# Allegro board 1155001-Timing_board_V3_20241024_1805_pcb.brd (continued)
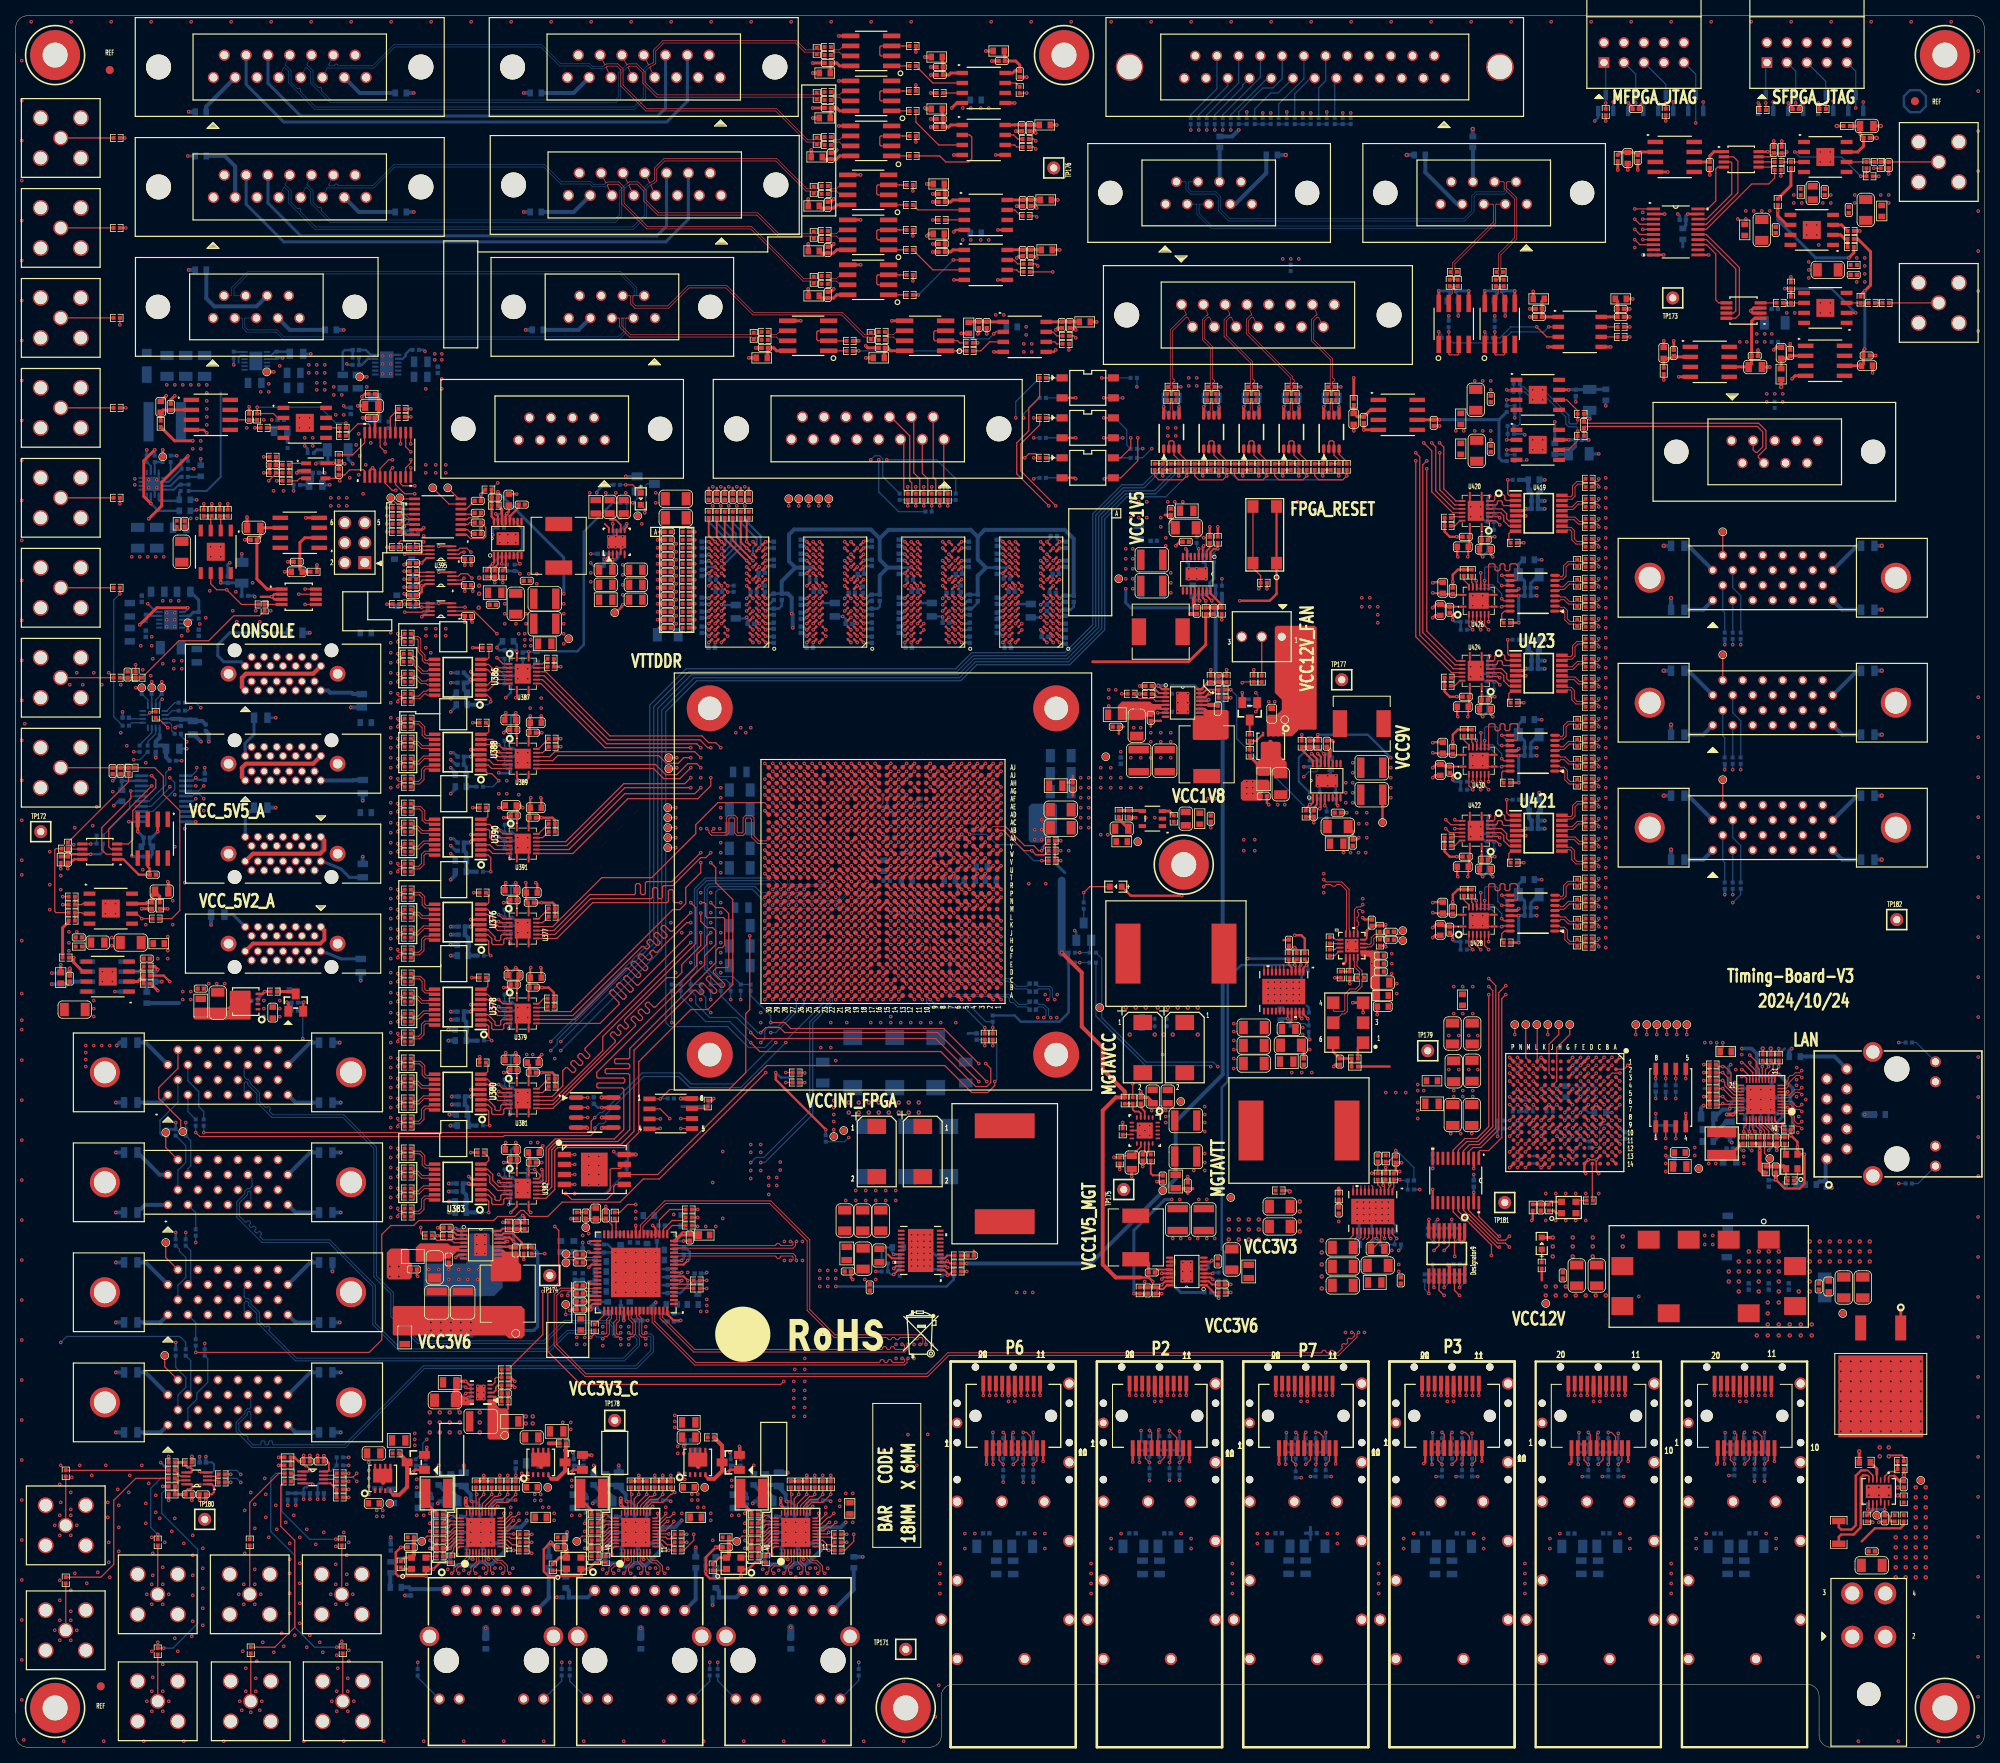
[diagram p0: board, top side]
## Copper pours and planes (outline as drawn; the poured copper is in the pictures)
GND on BOTTOM (solid shape): 60.2,65.15 60.2,63.88 60.33,63.75 61.72,63.75 61.85,63.63 61.85,58.42 60.77,57.34 59.25,57.34 59.18,57.28 52.07,57.28 51.82,57.53 51.82,61.21 52.07,61.47 57.15,61.47 57.28,61.59 57.28,65.02 57.53,65.28 60.07,65.28
GND on TOP: 74.17,151.89 74.3,151.76 74.3,150.62 74.55,150.37 74.55,147.19 74.42,147.07 72.9,147.07 72.77,147.19 72.77,151.76 72.9,151.89
GND on TOP: 233.68,187.45 234.95,187.45 235.08,187.32 235.08,186.06 234.95,185.93 233.68,185.93 233.55,186.06 233.55,187.32
GND on TOP: 197.74,73.66 197.1,73.03 192.15,73.03 191.9,72.77 191.9,66.67 192.02,66.55 201.93,66.55 202.06,66.67 202.06,73.53 201.93,73.66
GND on TOP: 141.99,118.24 142.11,118.36 146.05,118.36 146.18,118.24 146.18,117.73 146.05,117.6 142.11,117.6 141.99,117.73
GND on TOP: 159.77,121.67 161.42,121.67 161.67,121.41 161.67,119.51 161.42,119.25 159.89,119.25 159.77,119.38
GND on TOP: 148.21,58.17 147.96,58.42 147.96,62.36 146.05,64.26 146.05,66.04 146.3,66.29 153.03,66.29 153.29,66.04 153.29,64.14 153.54,63.88 155.07,63.88 155.32,63.63 155.32,62.74 155.07,62.48 153.42,62.48 153.16,62.23 153.16,61.98 153.03,61.85 152.4,61.85 152.02,62.23 151.51,62.23 151.38,62.1 149.99,62.1 149.61,61.72 149.61,58.29 149.48,58.17 ; 1 cut-out
GND on TOP: 87.63,160.27 87.76,160.4 93.22,160.4 93.34,160.27 93.34,159.89 93.22,159.77 87.76,159.77 87.63,159.89
GND on TOP: 104.27,72.77 104.9,73.41 116.08,73.41 116.59,72.9 116.59,68.2 116.08,67.69 104.52,67.69 104.27,67.94
GND on TOP: 64.14,150.88 64.14,152.15 63.75,152.53 61.09,152.53 60.96,152.65 60.96,154.56 61.09,154.69 65.41,154.69 66.55,153.54 66.55,141.6 66.42,141.48 65.28,141.48 65.15,141.6 65.15,142.24 65.02,142.37 61.47,142.37 60.83,143 60.83,145.41 60.96,145.54 64.77,145.54 65.02,145.8 65.02,149.99
GND on TOP: 142.37,79.25 142.49,79.38 144.4,79.38 144.4,78.74 144.65,78.49 146.18,78.49 146.56,78.11 148.46,78.11 148.84,78.49 148.84,82.8 148.59,83.06 143.76,83.06 143.13,83.69 142.11,83.69 141.73,84.07 141.73,86.49 141.86,86.61 151.26,86.61 151.38,86.49 151.38,73.15 151.26,73.03 148.84,73.03 148.72,73.15 148.72,76.2 147.96,76.96 146.94,76.96 145.67,78.23 144.53,78.23 144.27,77.98 144.27,77.34 142.49,77.34 142.37,77.47
GND on TOP: 52.32,44.7 52.58,44.96 53.59,44.96 53.72,44.83 53.72,43.05 53.98,42.8 58.17,42.8 58.42,43.05 58.42,46.1 59.56,46.1 59.69,45.97 59.69,45.85 59.82,45.72 60.45,45.72 60.45,45.47 59.82,45.47 59.69,45.34 59.69,39.62 59.18,39.12 53.09,39.12 52.32,39.88
GND on TOP: 30.48,93.34 30.35,93.22 30.35,92.33 30.48,92.2 33.66,92.2 33.78,92.33 33.78,93.22 33.66,93.34
GND on TOP: 162.05,91.69 162.31,91.95 164.59,91.95 164.72,91.82 164.72,88.39 164.59,88.27 162.31,88.27 162.05,88.52
GND on TOP: 51.82,60.71 52.07,60.96 55.63,60.96 56.39,61.72 56.39,62.1 56.52,62.23 57.53,62.23 57.66,62.36 57.66,65.91 57.91,66.17 60.07,66.17 60.33,65.91 60.33,62.1 59.94,61.72 59.31,61.72 59.05,61.47 59.05,58.04 58.42,57.4 52.2,57.4 51.82,57.78
GND on TOP: 80.39,159.77 82.93,159.77 83.06,159.64 83.06,155.57 82.8,155.32 81.92,155.32 81.79,155.19 81.79,141.99 81.66,141.86 79.38,141.86 79.12,142.11 79.12,154.18 80.26,155.32 80.26,159.64
GND on TOP: 63.88,40.01 64.01,40.13 65.15,40.13 65.28,40.01 65.28,32.77 65.15,32.64 64.01,32.64 63.88,32.77
GND on TOP: 23.88,96.01 24.51,96.01 24.64,95.89 24.64,95.38 24.77,95.25 26.67,95.25 26.8,95.38 26.8,97.16 26.67,97.28 23.88,97.28 23.75,97.16 23.75,96.14
GND on TOP: 106.81,61.85 107.06,62.1 110.11,62.1 110.36,61.85 110.36,59.44 109.6,58.67 107.06,58.67 106.81,58.93
GND on TOP: 173.35,100.97 173.61,101.22 175.13,101.22 176.02,100.33 176.02,95.63 175.9,95.5 175.13,95.5 175.01,95.63 175.01,96.14 174.88,96.27 173.86,96.27 173.74,96.39 173.74,97.79 173.35,98.17
GND on TOP: 21.21,155.57 23.11,155.57 23.24,155.7 23.24,157.48 23.11,157.61 21.21,157.61 21.08,157.48 21.08,155.7
GND on TOP: 211.07,75.06 210.95,74.93 209.42,74.93 209.3,75.06 209.3,76.33 209.42,76.45 210.95,76.45 211.07,76.33
GND on TOP: 208.79,65.66 208.79,60.07 208.66,59.94 202.69,59.94 202.06,60.58 197.49,60.58 197.1,60.2 194.94,60.2 194.82,60.33 194.82,65.66 194.94,65.79 208.66,65.79
GND on TOP: 153.29,93.34 153.67,93.73 155.83,93.73 156.84,92.71 156.84,85.6 156.34,85.09 153.54,85.09 153.29,85.34
GND on TOP: 237.11,173.35 237.11,217.42 236.85,217.68 137.67,217.68 137.54,217.81 137.54,219.33 137.7,219.49 248.5,219.49 249.2,219.2 249.49,218.5 249.49,92.52 249.43,92.46 241.17,92.46 241.05,92.58 241.05,169.42
GND on TOP: 133.35,120.65 133.73,121.03 134.62,121.03 135,121.41 135,123.32 135.13,123.44 136.53,123.44 136.65,123.32 136.65,115.95 136.53,115.82 133.48,115.82 133.35,115.95
GND on TOP: 83.82,40.01 83.95,40.13 85.09,40.13 85.22,40.01 85.22,32.77 85.09,32.64 83.95,32.64 83.82,32.77
GND on TOP: 7.75,102.49 7.24,102.49 6.48,103.25 6.48,103.76 6.6,103.89 7.75,103.89 7.87,103.76 7.87,102.62
GND on TOP: 16.89,99.82 19.56,99.82 19.68,99.95 19.68,100.46 19.56,100.58 16.89,100.58 16.76,100.46 16.76,99.95
GND on TOP: 181.48,90.68 185.8,90.68 185.93,90.55 185.93,85.98 185.8,85.85 181.48,85.85 181.36,85.98 181.36,90.55
GND on TOP: 187.83,165.23 184.53,165.23 184.4,165.35 184.4,167.39 184.53,167.51 187.83,167.51 187.96,167.39 187.96,165.35
GND on TOP: 158.88,133.1 159,133.22 160.02,133.22 160.15,133.1 160.15,131.83 159.89,131.57 159.13,131.57 158.88,131.83
GND on TOP: 44.45,167.13 43.18,167.13 41.66,165.61 39.37,165.61 37.85,164.08 37.85,159.89 38.1,159.64 45.72,159.64 45.85,159.77 45.85,163.19 45.78,163.26 45.78,165.8
GND on TOP: 187.83,171.58 184.53,171.58 184.4,171.7 184.4,173.74 184.53,173.86 187.83,173.86 187.96,173.74 187.96,171.7
GND on TOP: 161.29,71.12 161.42,71.25 163.45,71.25 163.83,70.87 163.96,70.87 166.62,68.2 168.15,68.2 168.66,67.69 168.66,58.55 168.02,57.91 162.31,57.91 161.29,58.93
GND on TOP: 227.46,195.96 227.58,195.83 232.03,195.83 232.41,195.45 235.71,195.45 235.84,195.58 235.84,197.36 235.71,197.49 230.25,197.49 230.12,197.36 227.58,197.36 227.46,197.23
GND on TOP: 173.35,63.88 173.74,64.26 176.28,64.26 176.53,64.01 176.53,59.69 176.4,59.56 174.88,59.56 174.12,60.33 173.61,60.33 173.35,60.58
GND on TOP: 227.58,188.98 227.46,188.85 227.46,186.56 227.58,186.44 229.36,186.44 229.49,186.56 229.49,188.85 229.36,188.98
GND on TOP: 139.83,128.91 139.95,129.03 140.46,129.03 140.59,129.16 140.59,129.79 140.72,129.92 144.78,129.92 144.78,130.94 144.91,131.06 147.19,131.06 147.45,131.32 147.45,134.24 147.57,134.37 148.97,134.37 149.1,134.24 149.1,131.32 147.7,129.92 147.7,125.48 147.57,125.35 140.21,125.35 139.83,125.73
GND on TOP: 8.26,92.58 10.03,92.58 10.16,92.71 10.16,95 10.03,95.12 8.26,95.12 8.13,95 8.13,92.71
GND on TOP: 137.54,117.22 137.67,117.35 139.95,117.35 140.08,117.22 140.08,115.82 139.95,115.7 137.67,115.7 137.54,115.82
GND on TOP: 181.61,79.5 181.74,79.63 185.8,79.63 185.93,79.5 185.93,77.85 185.8,77.72 181.74,77.72 181.61,77.85
GND on TOP: 147.7,120.65 147.83,120.78 149.48,120.78 149.61,120.65 149.61,118.36 149.48,118.24 147.83,118.24 147.7,118.36
GND on TOP: 144.91,156.59 145.16,156.84 146.05,156.84 146.18,156.72 146.18,156.08 146.3,155.96 147.7,155.96 147.83,155.83 147.83,154.05 147.57,153.8 147.57,152.53 148.46,151.64 148.46,150.24 148.72,149.99 151.38,149.99 151.64,149.73 151.64,148.34 151.51,148.21 147.7,148.21 147.07,147.57 147.07,145.8 146.81,145.54 145.29,145.54 144.91,145.92
GND on TOP: 164.85,123.83 165.1,124.08 169.04,124.08 169.29,124.33 169.29,125.98 169.67,126.36 171.2,126.36 171.45,126.11 171.45,120.4 171.83,120.02 171.83,115.57 171.58,115.32 170.43,115.32 170.31,115.44 170.31,115.82 170.05,116.08 168.78,116.08 168.66,116.2 168.66,117.98 168.78,118.11 168.78,119.51 168.15,120.14 168.15,121.41 167.89,121.67 164.97,121.67 164.85,121.79
GND on TOP: 10.92,101.22 13.84,101.22 13.97,101.35 13.97,103.25 13.84,103.38 10.92,103.38 10.79,103.25 10.79,101.35
GND on TOP: 1.5,0.51 0.8,0.8 0.51,1.5 0.51,218.5 0.8,219.2 1.5,219.49 15.33,219.49 15.56,219.27 15.56,153.99 18.03,151.51 22.1,151.51 22.23,151.38 22.23,150.75 22.48,150.5 29.08,150.5 31.75,147.83 31.75,146.18 33.4,144.53 33.4,139.7 33.27,139.57 27.05,139.57 24.7,137.22 24.7,106.62 21.72,103.63 13.97,103.63 12.7,104.9 5.21,104.9 4.19,103.89 4.19,86.11 7.75,82.55 16.13,82.55 16.64,82.04 16.64,41.53 19.3,38.86 45.09,38.86 45.21,38.73 45.21,28.32 46.99,26.54 46.99,0.64 46.86,0.51 ; 7 cut-outs
GND on TOP: 77.85,159.51 77.85,158.12 77.72,157.99 74.8,157.99 74.68,158.12 74.68,159.51 74.8,159.64 77.72,159.64
GND on TOP: 220.6,192.91 220.47,193.04 220.47,195.33 220.6,195.45 223.14,195.45 223.27,195.33 223.27,194.44 224.16,193.55 224.16,193.04 224.03,192.91
GND on BOTTOM: 146.65,24.38 146.4,24.64 146.4,27.81 146.78,28.19 149.45,28.19 149.57,28.07 149.57,24.77 149.19,24.38 ; 1 cut-out
GND on BOTTOM: 33.4,169.29 29.21,169.29 29.08,169.16 29.08,166.5 29.21,166.37 33.4,166.37 33.53,166.5 33.53,169.16
GND on BOTTOM: 57.53,28.7 57.78,28.96 60.45,28.96 60.71,28.7 60.71,26.04 60.45,25.78 57.66,25.78 57.53,25.91
GND on BOTTOM: 218.31,73.79 218.19,73.91 218.19,75.18 218.82,75.82 218.82,76.2 219.46,76.2 219.84,75.82 219.84,73.91 219.71,73.79
GND on BOTTOM: 1.5,0.51 0.8,0.8 0.51,1.5 0.51,218.5 0.8,219.2 1.5,219.49 14.86,219.49 14.86,192.66 13.21,191.01 13.21,136.53 14.35,135.38 14.35,125.86 12.83,124.33 12.83,119.13 10.92,117.22 6.6,117.22 5.59,116.2 5.59,108.97 4.19,107.57 4.19,51.82 8.64,47.37 8.64,39.88 10.41,38.1 26.67,38.1 27.18,37.59 43.18,37.59 44.07,36.7 44.07,29.84 44.83,29.08 44.83,23.37 46.99,21.21 46.99,0.51 ; 1 cut-out
GND on BOTTOM: 87.5,159 87.38,159.13 87.38,160.15 87.63,160.4 93.47,160.4 93.73,160.15 93.73,159.26 93.47,159 ; 6 cut-outs
GND on BOTTOM: 163.07,188.09 160.78,188.09 160.66,188.21 160.66,189.48 160.78,189.61 163.07,189.61 163.19,189.48 163.19,188.21
GND on BOTTOM: 20.57,141.6 19.3,140.34 19.3,136.91 19.05,136.65 13.84,136.65 13.72,136.78 13.72,140.97 13.84,141.1 15.75,141.1 16,141.35 18.41,141.35 18.8,141.73 18.8,144.53 18.41,144.91 15.75,144.91 15.62,145.03 15.62,145.54 15.75,145.67 18.03,145.67 18.41,146.05 18.41,147.45 18.54,147.57 20.83,147.57 20.95,147.45 20.95,145.41 20.57,145.03
GND on BOTTOM: 32.45,173.42 31.75,174.12 30.86,174.12 30.73,173.99 30.73,171.96 30.86,171.83 32.38,171.83 32.45,171.89
GND on BOTTOM: 127,181.1 128.52,181.1 128.65,180.97 128.65,179.2 128.52,179.07 127,179.07 126.87,179.2 126.87,180.97
GND on BOTTOM: 163.96,97.54 164.21,97.28 164.21,94.11 164.08,93.98 162.18,93.98 162.05,93.85 162.05,93.22 161.93,93.09 160.02,93.09 159.89,92.96 159.89,85.98 159.51,85.6 154.56,85.6 154.43,85.72 154.43,97.28 154.69,97.54
GND on BOTTOM: 158.37,24.51 157.99,24.89 157.35,24.89 157.1,25.15 157.1,27.94 157.35,28.19 159.38,28.19 160.27,27.3 160.27,24.64 160.15,24.51 ; 1 cut-out
GND on BOTTOM: 42.93,171.32 42.8,171.45 42.8,173.1 42.93,173.23 45.72,173.23 46.23,173.74 46.23,177.42 46.35,177.55 47.88,177.55 48.01,177.42 48.01,173.48 48.64,172.85 51.31,172.85 51.82,173.35 51.82,174.62 51.94,174.75 54.23,174.75 54.36,174.62 54.36,171.45 54.23,171.32
GND on BOTTOM: 123.83,209.68 123.83,208.15 123.7,208.03 122.43,208.03 122.3,208.15 122.3,209.68 122.43,209.8 123.7,209.8
GND on BOTTOM: 35.81,173.86 35.69,173.99 35.69,175.9 35.81,176.02 39.37,176.02 39.5,175.9 39.5,173.99 39.37,173.86
GND on BOTTOM: 150.37,91.82 141.1,91.82 140.97,91.69 140.97,90.3 141.1,90.17 150.37,90.17 150.5,90.3 150.5,91.69
GND on BOTTOM: 20.19,170.18 20.19,165.86 20.32,165.74 24.38,165.74 25.02,166.37 25.02,174.75 24.89,174.88 18.16,174.88 18.03,174.75 18.03,172.34
GND on BOTTOM: 202.38,24.38 202.12,24.64 202.12,27.81 202.5,28.19 205.17,28.19 205.3,28.07 205.3,24.77 204.92,24.38 ; 1 cut-out
GND on BOTTOM: 164.94,123.42 165.24,123.72 166.14,123.72 166.53,124.11 166.53,124.59 166.66,124.71 167.38,124.71 167.72,125.05 167.72,125.85 168.1,126.24 171.07,126.24 171.32,125.98 171.32,119.63 170.94,119.25 168.78,119.25 168.4,119.63 168.4,121.62 168.24,121.78 165.15,121.78 164.94,121.99
GND on BOTTOM: 220.95,24.38 220.7,24.64 220.7,27.81 221.08,28.19 223.75,28.19 223.87,28.07 223.87,24.77 223.49,24.38 ; 1 cut-out
GND on BOTTOM: 224.54,170.69 222.25,170.69 222.12,170.81 222.12,172.09 222.25,172.21 224.54,172.21 224.66,172.09 224.66,170.81
GND on BOTTOM: 50.55,30.61 50.67,30.73 51.94,30.73 52.58,30.1 52.96,30.1 52.96,29.46 52.58,29.08 50.67,29.08 50.55,29.21
GND on BOTTOM: 165.23,24.38 164.97,24.64 164.97,27.81 165.35,28.19 168.02,28.19 168.15,28.07 168.15,24.77 167.77,24.38 ; 1 cut-out
GND on BOTTOM: 183.8,24.38 183.55,24.64 183.55,27.81 183.93,28.19 186.6,28.19 186.72,28.07 186.72,24.77 186.34,24.38 ; 1 cut-out
GND on BOTTOM: 220.34,80.64 220.09,80.9 220.09,83.82 220.22,83.95 222.88,83.95 223.14,83.69 223.14,80.9 222.88,80.64
GND on BOTTOM: 81.79,53.85 81.63,54.01 81.63,56.63 81.27,56.99 80.85,56.99 80.1,56.25 78.76,56.25 78.75,56.24 77.59,56.24 77.27,56.55 77.27,56.55 77.17,56.65 76.26,56.65 76.19,56.58 76.19,56.39 76.06,56.26 74.53,56.26 74.53,62.15 74.64,62.26 75.06,62.26 75.27,62.47 75.27,63.45 76.25,64.42 80.74,64.42 80.8,64.36 80.8,63.82 80.92,63.7 81.74,63.7 82.17,64.14 82.17,68.58 82.3,68.71 84.96,68.71 85.22,68.45 85.22,67.31 84.96,67.06 84.14,67.06 83.26,66.17 83.26,64.15 82.72,63.62 82.72,61.48 82.64,61.41 82.41,61.41 82.3,61.3 82.3,61.06 82.3,61.06 82.3,57.15 82.39,57.05 82.95,57.05 82.99,57.01 82.99,55.83 82.86,55.71 82.52,55.71 82.29,55.47 82.29,54.04 82.1,53.85 ; 2 cut-outs
GND on BOTTOM: 66.29,141.1 63.37,141.1 61.85,142.62 61.85,146.18 65.02,149.35 66.29,149.35 66.42,149.22 66.42,141.22
GND on BOTTOM: 139.79,24.51 139.41,24.89 138.78,24.89 138.52,25.15 138.52,27.94 138.78,28.19 140.81,28.19 141.7,27.3 141.7,24.64 141.57,24.51 ; 1 cut-out
GND on BOTTOM: 195.52,24.51 195.14,24.89 194.5,24.89 194.25,25.15 194.25,27.94 194.5,28.19 196.54,28.19 197.42,27.3 197.42,24.64 197.3,24.51 ; 1 cut-out
GND on BOTTOM: 89.28,105.41 89.41,105.54 91.06,105.54 91.19,105.41 91.19,98.42 90.81,98.04 89.53,98.04 89.28,98.3
GND on BOTTOM: 176.94,24.51 176.56,24.89 175.93,24.89 175.67,25.15 175.67,27.94 175.93,28.19 177.96,28.19 178.85,27.3 178.85,24.64 178.72,24.51 ; 1 cut-out
GND on BOTTOM: 70.48,30.86 71.63,30.86 72.39,30.1 72.64,30.1 72.64,29.46 72.26,29.08 70.48,29.08 70.36,29.21 70.36,30.73
GND on BOTTOM: 18.29,161.29 18.29,159.77 18.16,159.64 16.64,159.64 16.26,160.02 14.35,160.02 14.22,159.89 14.22,153.16 14.35,153.03 18.8,153.03 19.05,152.78 19.05,151 18.92,150.88 12.7,150.88 12.57,151 12.57,161.29 12.7,161.42 18.16,161.42
GND on BOTTOM: 223.14,183.26 220.98,183.26 220.85,183.13 220.85,179.32 220.98,179.2 223.14,179.2 223.27,179.32 223.27,183.13
GND on BOTTOM: 133.48,126.75 133.73,127 136.14,127 136.65,126.49 136.65,115.95 136.53,115.82 133.6,115.82 133.48,115.95
GND on BOTTOM: 121.22,24.51 120.84,24.89 120.2,24.89 119.95,25.15 119.95,27.94 120.2,28.19 122.23,28.19 123.12,27.3 123.12,24.64 123,24.51 ; 1 cut-out
GND on BOTTOM: 80.62,140.26 80.42,140.46 80.42,159.51 80.54,159.64 83.06,159.64 83.19,159.51 83.19,155.45 82.68,154.94 82.68,142.88 82.04,142.24 82.04,140.51 81.79,140.26 ; 11 cut-outs
GND on BOTTOM: 67.06,30.1 68.45,30.1 68.58,29.97 68.58,28.45 68.33,28.19 67.31,28.19 67.06,28.45
GND on BOTTOM: 146.05,66.17 146.18,66.29 152.27,66.29 152.53,66.04 152.53,64.39 152.4,64.26 146.18,64.26 146.05,64.39
GND on BOTTOM: 97.41,28.7 97.66,28.96 100.46,28.96 100.71,28.7 100.71,25.91 100.58,25.78 97.66,25.78 97.41,26.04
GND on BOTTOM: 77.09,28.7 77.34,28.96 80.14,28.96 80.26,28.83 80.26,26.04 80.01,25.78 77.34,25.78 77.09,26.04
GND on BOTTOM: 146.05,62.61 146.3,62.87 150.5,62.87 150.88,62.48 150.88,59.18 150.5,58.8 148.08,58.8 147.83,59.05 147.83,60.83 147.7,60.96 146.3,60.96 146.05,61.21
GND on BOTTOM: 140.08,125.48 139.83,125.73 139.83,131.44 141.86,133.48 141.86,135.12 142.11,135.37 143.64,135.37 144.53,134.48 144.53,131.06 144.78,130.8 146.43,130.8 146.56,130.93 146.56,134.1 146.69,134.23 149.1,134.23 149.35,133.98 149.35,132.45 149.61,132.2 150.75,132.2 150.88,132.07 150.88,125.98 150.37,125.48 ; 1 cut-out
GND on BOTTOM: 90.55,30.86 90.68,30.99 91.95,30.99 92.08,30.86 92.08,30.61 92.58,30.1 92.96,30.1 92.96,29.46 92.58,29.08 90.68,29.08 90.55,29.21
GND on BOTTOM: 163.45,70.87 163.45,65.02 163.32,64.9 161.04,64.9 160.91,65.02 160.91,70.87 161.04,70.99 163.32,70.99
GND on BOTTOM: 22.61,141.73 24.26,141.73 24.38,141.86 24.38,143.51 24.26,143.64 22.61,143.64 22.48,143.51 22.48,141.86
GND on BOTTOM: 112.32,59.38 112,59.7 112,60.19 112.74,60.19 112.92,60.38 112.92,61.82 112.67,62.07 112.07,62.07 111.99,62.15 111.99,64.1 111.86,64.23 105.59,64.23 104.67,65.15 104.67,72.67 105.41,73.41 119.76,73.41 119.89,73.28 119.89,65.95 117.06,63.12 117.06,59.76 116.68,59.38 ; 2 cut-outs
GND on BOTTOM: 128.08,24.38 127.82,24.64 127.82,27.81 128.2,28.19 130.87,28.19 131,28.07 131,24.77 130.62,24.38 ; 1 cut-out
GND on BOTTOM: 123.83,192.91 123.83,191.39 123.7,191.26 122.43,191.26 122.3,191.39 122.3,192.91 122.43,193.04 123.7,193.04
GND on BOTTOM: 44.58,36.58 44.45,36.45 44.45,31.88 44.58,31.75 45.72,31.75 45.85,31.88 45.85,36.45 45.72,36.58
GND on BOTTOM: 144.65,156.72 144.78,156.84 146.94,156.84 148.08,155.7 148.08,150.24 148.34,149.99 151.47,149.99 151.54,149.91 151.54,148.49 151.24,148.19 150.35,148.19 149.96,147.8 149.96,147.32 149.83,147.19 149.1,147.19 148.76,146.86 148.76,146.05 148.38,145.67 145.41,145.67 145.16,145.92 145.16,152.27 144.65,152.78
GND on BOTTOM: 214.09,24.51 213.71,24.89 213.08,24.89 212.82,25.15 212.82,27.94 213.08,28.19 215.11,28.19 216,27.3 216,24.64 215.87,24.51 ; 1 cut-out
GND on BOTTOM: 89.03,122.3 89.28,122.56 90.93,122.56 91.31,122.17 91.31,111 91.19,110.87 89.15,110.87 89.03,111
GND on BOTTOM: 86.74,29.84 86.87,29.97 88.52,29.97 88.77,29.72 88.77,28.83 88.39,28.45 86.87,28.45 86.74,28.57
GND on BOTTOM: 101.6,91.31 103.89,93.6 107.06,93.6 119.89,93.6 121.03,92.46 121.28,92.46 121.54,92.2 121.54,86.49 121.41,86.36 119.76,86.36 119.63,86.49 119.63,88.52 119,89.15 104.14,89.15 103.5,88.52 103.5,86.61 103.25,86.36 101.73,86.36 101.6,86.49
GND on BOTTOM: 105.03,32.64 105.16,32.77 106.68,32.77 106.93,32.51 106.93,30.99 106.68,30.73 105.03,30.73
GND on BOTTOM: 233.55,217.68 138.94,217.68 138.81,217.81 138.81,219.33 138.97,219.49 248.5,219.49 249.2,219.2 249.49,218.5 249.49,92.52 249.43,92.46 240.28,92.46 240.16,92.58 240.16,199.26 237.17,202.25 237.17,214.06
GND on GND02, GND04, GND11: 1.5,0.51 0.8,0.8 0.51,1.5 0.51,33.91 0.51,33.91 0.51,218.5 0.8,219.2 1.5,219.49 22.95,219.49 23.11,219.33 23.11,178.31 23.5,177.93 69.47,177.93 72.77,174.62 125.6,174.62 126.87,175.9 126.87,182.12 122.3,186.69 122.3,219.33 122.46,219.49 248.5,219.49 249.2,219.2 249.49,218.5 249.49,70.04 249.43,69.98 215.26,69.98 212.79,67.5 210.63,67.5 209.3,66.17 209.3,60.07 212.22,57.15 212.22,51.56 213.87,49.91 226.44,49.91 227.84,48.51 227.84,8.76 227.59,8.51 119.05,8.51 117.63,7.92 117.04,6.5 117.04,1.5 116.75,0.8 116.04,0.51 41.4,0.51 41.4,0.51 ; 1 cut-out
GND on ART03: 1.5,0.51 0.8,0.8 0.51,1.5 0.51,218.5 0.8,219.2 1.5,219.49 22.95,219.49 23.11,219.33 23.11,178.31 23.52,177.9 32.99,177.9 33.17,177.72 33.17,164.36 31.75,162.94 16.26,162.94 15.49,162.18 15.49,140.84 15.43,140.78 15.49,140.72 15.49,128.4 19.3,124.59 19.3,103.89 18.29,102.87 5.59,102.87 5.08,102.36 5.08,96.77 6.35,95.5 18.16,95.5 19.43,94.23 26.04,94.23 26.54,93.73 26.54,39.88 27.43,38.99 44.2,38.99 44.32,38.86 44.32,28.96 47.75,25.53 47.75,0.64 47.62,0.51
GND on ART03: 161.93,114.43 158.12,118.24 150.24,118.24 149.73,117.73 134.87,117.73 134.75,117.86 134.75,123.19 137.67,126.11 137.67,146.69 137.92,146.94 165.35,146.94 171.7,140.59 171.7,114.55 171.58,114.43
GND on ART03: 249.49,92.52 249.43,92.46 233.3,92.46 233.17,92.58 233.17,158.62 238.89,164.34 238.89,206.12 237.49,207.52 126.36,207.52 126.24,207.65 126.24,218.86 126.87,219.49 248.5,219.49 249.2,219.2 249.49,218.5
GND on ART05: 1.5,0.51 0.8,0.8 0.51,1.5 0.51,218.5 0.8,219.2 1.5,219.49 22.95,219.49 23.11,219.33 23.11,178.31 23.5,177.93 62.36,177.93 62.48,177.8 62.48,161.93 62.36,161.8 38.99,161.8 38.73,161.54 38.73,147.57 38.61,147.45 27.81,147.45 27.69,147.57 27.69,158.12 24.77,161.04 24.77,167.13 24.38,167.51 12.83,167.51 11.94,166.62 11.94,112.78 4.19,105.03 4.19,93.09 5.59,91.69 15.62,91.69 16.64,90.68 16.64,69.85 23.37,63.12 44.96,63.12 45.21,62.87 45.21,28.32 46.99,26.54 46.99,0.51
GND on ART05: 231.01,92.58 231.01,151.89 230.76,152.15 191.26,152.15 189.87,153.54 189.87,168.78 191.52,170.43 198.25,170.43 205.87,178.05 205.87,186.94 208.03,189.1 208.03,193.29 196.98,204.34 126.49,204.34 126.24,204.6 126.24,218.86 126.87,219.49 248.5,219.49 249.2,219.2 249.49,218.5 249.49,92.52 249.43,92.46 231.14,92.46
GND on ART05: 197.36,91.31 205.49,91.31 205.74,91.57 205.74,151 205.49,151.26 197.36,151.26 197.1,151 197.1,91.57
GND on ART05: 153.42,116.59 153.16,116.33 153.16,88.27 153.42,88.01 187.58,88.01 187.71,88.14 187.71,116.46 187.58,116.59
GND on POWR06: 1.5,0.51 0.8,0.8 0.51,1.5 0.51,218.5 0.8,219.2 1.5,219.49 22.95,219.49 23.11,219.33 23.11,175.26 22.61,174.75 2.29,174.75 1.91,174.37 1.91,43.69 15.75,29.84 43.18,29.84 46.61,26.42 46.61,1.14 45.97,0.51
GND on GND07, GND09: 1.5,0.51 0.8,0.8 0.51,1.5 0.51,33.91 0.51,33.91 0.51,218.5 0.8,219.2 1.5,219.49 22.95,219.49 23.11,219.33 23.11,178.31 23.5,177.93 69.47,177.93 72.77,174.62 125.6,174.62 126.87,175.9 126.87,182.12 122.3,186.69 122.3,219.33 122.46,219.49 248.5,219.49 249.2,219.2 249.49,218.5 249.49,70.04 249.43,69.98 215.26,69.98 212.79,67.5 210.63,67.5 209.3,66.17 209.3,60.07 212.22,57.15 212.22,51.56 213.87,49.91 226.44,49.91 227.84,48.51 227.84,8.76 227.59,8.51 119.05,8.51 117.63,7.92 117.04,6.5 117.04,1.5 116.75,0.8 116.04,0.51 41.4,0.51 41.4,0.51 ; 1 cut-out
GND on ART08: 206.38,101.98 206.69,102.3 220.54,102.3 231.65,113.41 231.65,152.4 224.79,159.26 200.15,159.26 199.39,158.5 199.39,95.38 198.63,94.61 183.51,94.61 175.26,102.87 175.26,136.65 139.7,172.21 139.7,199.14 139.45,199.39 131.44,199.39 130.94,199.9 130.94,203.2 130.05,204.09 130.05,218.98 130.56,219.49 248.5,219.49 249.2,219.2 249.49,218.5 249.49,92.52 249.43,92.46 231.39,92.46 223.65,84.71 223.65,81.53 220.6,78.49 220.6,70.87 219.71,69.98 206.76,69.98 206.38,70.36 ; 1 cut-out
GND on ART08: 178.05,52.96 203.96,52.96 204.22,53.21 204.22,71.88 203.96,72.14 178.05,72.14 177.8,71.88 177.8,53.21
GND on ART08: 152.78,95.89 152.78,130.3 152.15,130.94 137.29,130.94 137.03,130.68 137.03,97.28 139.7,94.61 151.51,94.61
GND on ART08: 1.5,0.51 0.8,0.8 0.51,1.5 0.51,218.5 0.8,219.2 1.5,219.49 22.95,219.49 23.11,219.33 23.11,178.31 24.64,176.78 24.64,157.1 21.34,153.8 21.34,128.91 12.7,120.27 1.91,120.27 1.52,119.89 1.52,109.35 4.19,106.68 4.19,86.11 7.75,82.55 15.24,82.55 15.75,82.04 15.75,40.26 18.67,37.34 22.48,37.34 26.67,33.15 28.83,33.15 29.34,33.66 29.34,38.23 29.97,38.86 45.09,38.86 45.21,38.73 45.21,28.32 46.99,26.54 46.99,0.51
GND on ART10: 194.44,51.94 206.25,51.94 206.5,52.2 206.5,70.48 206.38,70.61 190.25,70.61 189.23,71.63 172.21,71.63 171.83,72.01 171.83,96.9 170.81,97.92 157.99,97.92 153.29,93.22 144.02,93.22 142.88,92.08 142.88,84.84 149.99,77.72 150.5,77.72 164.72,63.5 170.56,63.5 177.67,56.39 189.99,56.39
GND on ART10: 1.5,0.51 0.8,0.8 0.51,1.5 0.51,218.5 0.8,219.2 1.5,219.49 22.95,219.49 23.11,219.33 23.11,178.31 23.5,177.93 47.75,177.93 48.39,177.29 48.39,154.94 45.72,152.27 45.72,144.15 42.29,140.72 27.56,140.72 18.67,131.83 18.67,90.55 18.54,90.42 6.1,90.42 5.33,89.66 5.33,37.59 15.11,27.81 48.64,27.81 49.66,26.8 49.66,0.76 49.4,0.51
GND on ART10: 231.52,92.58 231.52,151.97 219.71,163.78 219.71,205.87 221.62,207.77 234.06,207.77 234.19,207.9 234.19,210.57 234.06,210.69 221.11,210.69 213.61,218.19 199.14,218.19 198.63,217.68 198.63,204.6 198.37,204.34 144.78,204.34 143,202.56 143,193.42 144.78,191.64 169.67,191.64 170.18,191.13 170.18,160.27 169.93,160.02 142.62,160.02 140.21,162.43 136.4,162.43 126.87,171.96 126.87,182.12 122.3,186.69 122.3,219.33 122.46,219.49 248.5,219.49 249.2,219.2 249.49,218.5 249.49,92.52 249.43,92.46 231.65,92.46
GND_EARTH on TOP, GND02, ART03, GND04, ART05, POWR06, GND07, ART08, GND09, ART10, GND11: 241.93,0.51 241.81,0.64 241.81,8 244.22,10.41 244.22,68.83 244.35,68.96 249.3,68.96 249.49,68.77 249.49,1.5 249.2,0.8 248.5,0.51
GND_EARTH on BOTTOM: 241.81,0.64 241.81,8 244.22,10.41 244.22,66.17 243.21,67.18 216.66,67.18 216.53,67.31 216.53,68.83 216.66,68.96 249.3,68.96 249.49,68.77 249.49,1.5 249.2,0.8 248.5,0.51 241.93,0.51
GND_FPGA_LAN on BOTTOM: 51.18,14.73 51.94,15.49 53.09,15.49 53.85,14.73 59.18,12.95 60.07,12.95 67.56,15.75 72.52,15.75 78.87,12.95 79.88,12.95 85.85,15.75 91.44,15.75 97.92,12.95 98.93,12.95 104.65,15.62 108.08,15.62 108.08,12.83 105.66,12.83 104.39,13.34 99.69,11.68 97.54,11.68 92.84,13.34 90.17,12.57 87.12,12.57 86.86,12.68 85.72,13.59 84.84,13.59 81.41,11.68 78.74,11.68 74.04,13.21 73.28,13.21 72.01,12.7 67.94,12.7 66.93,13.21 65.02,13.21 62.23,11.81 58.55,11.81 55.12,13.21 54.1,13.21 52.83,12.45 51.82,12.45 51.18,13.08